# Altium PCB smart.PcbDoc (part 5 of 5)
Units mm, origin at the board's own origin, x right, y up, seen from the top; angles counter-clockwise.
Board outline 300.1 x 225.04 mm, 2 copper layers (Top Layer, Bottom Layer); 355 components, 288 nets, 1364 pads, 1127 vias.
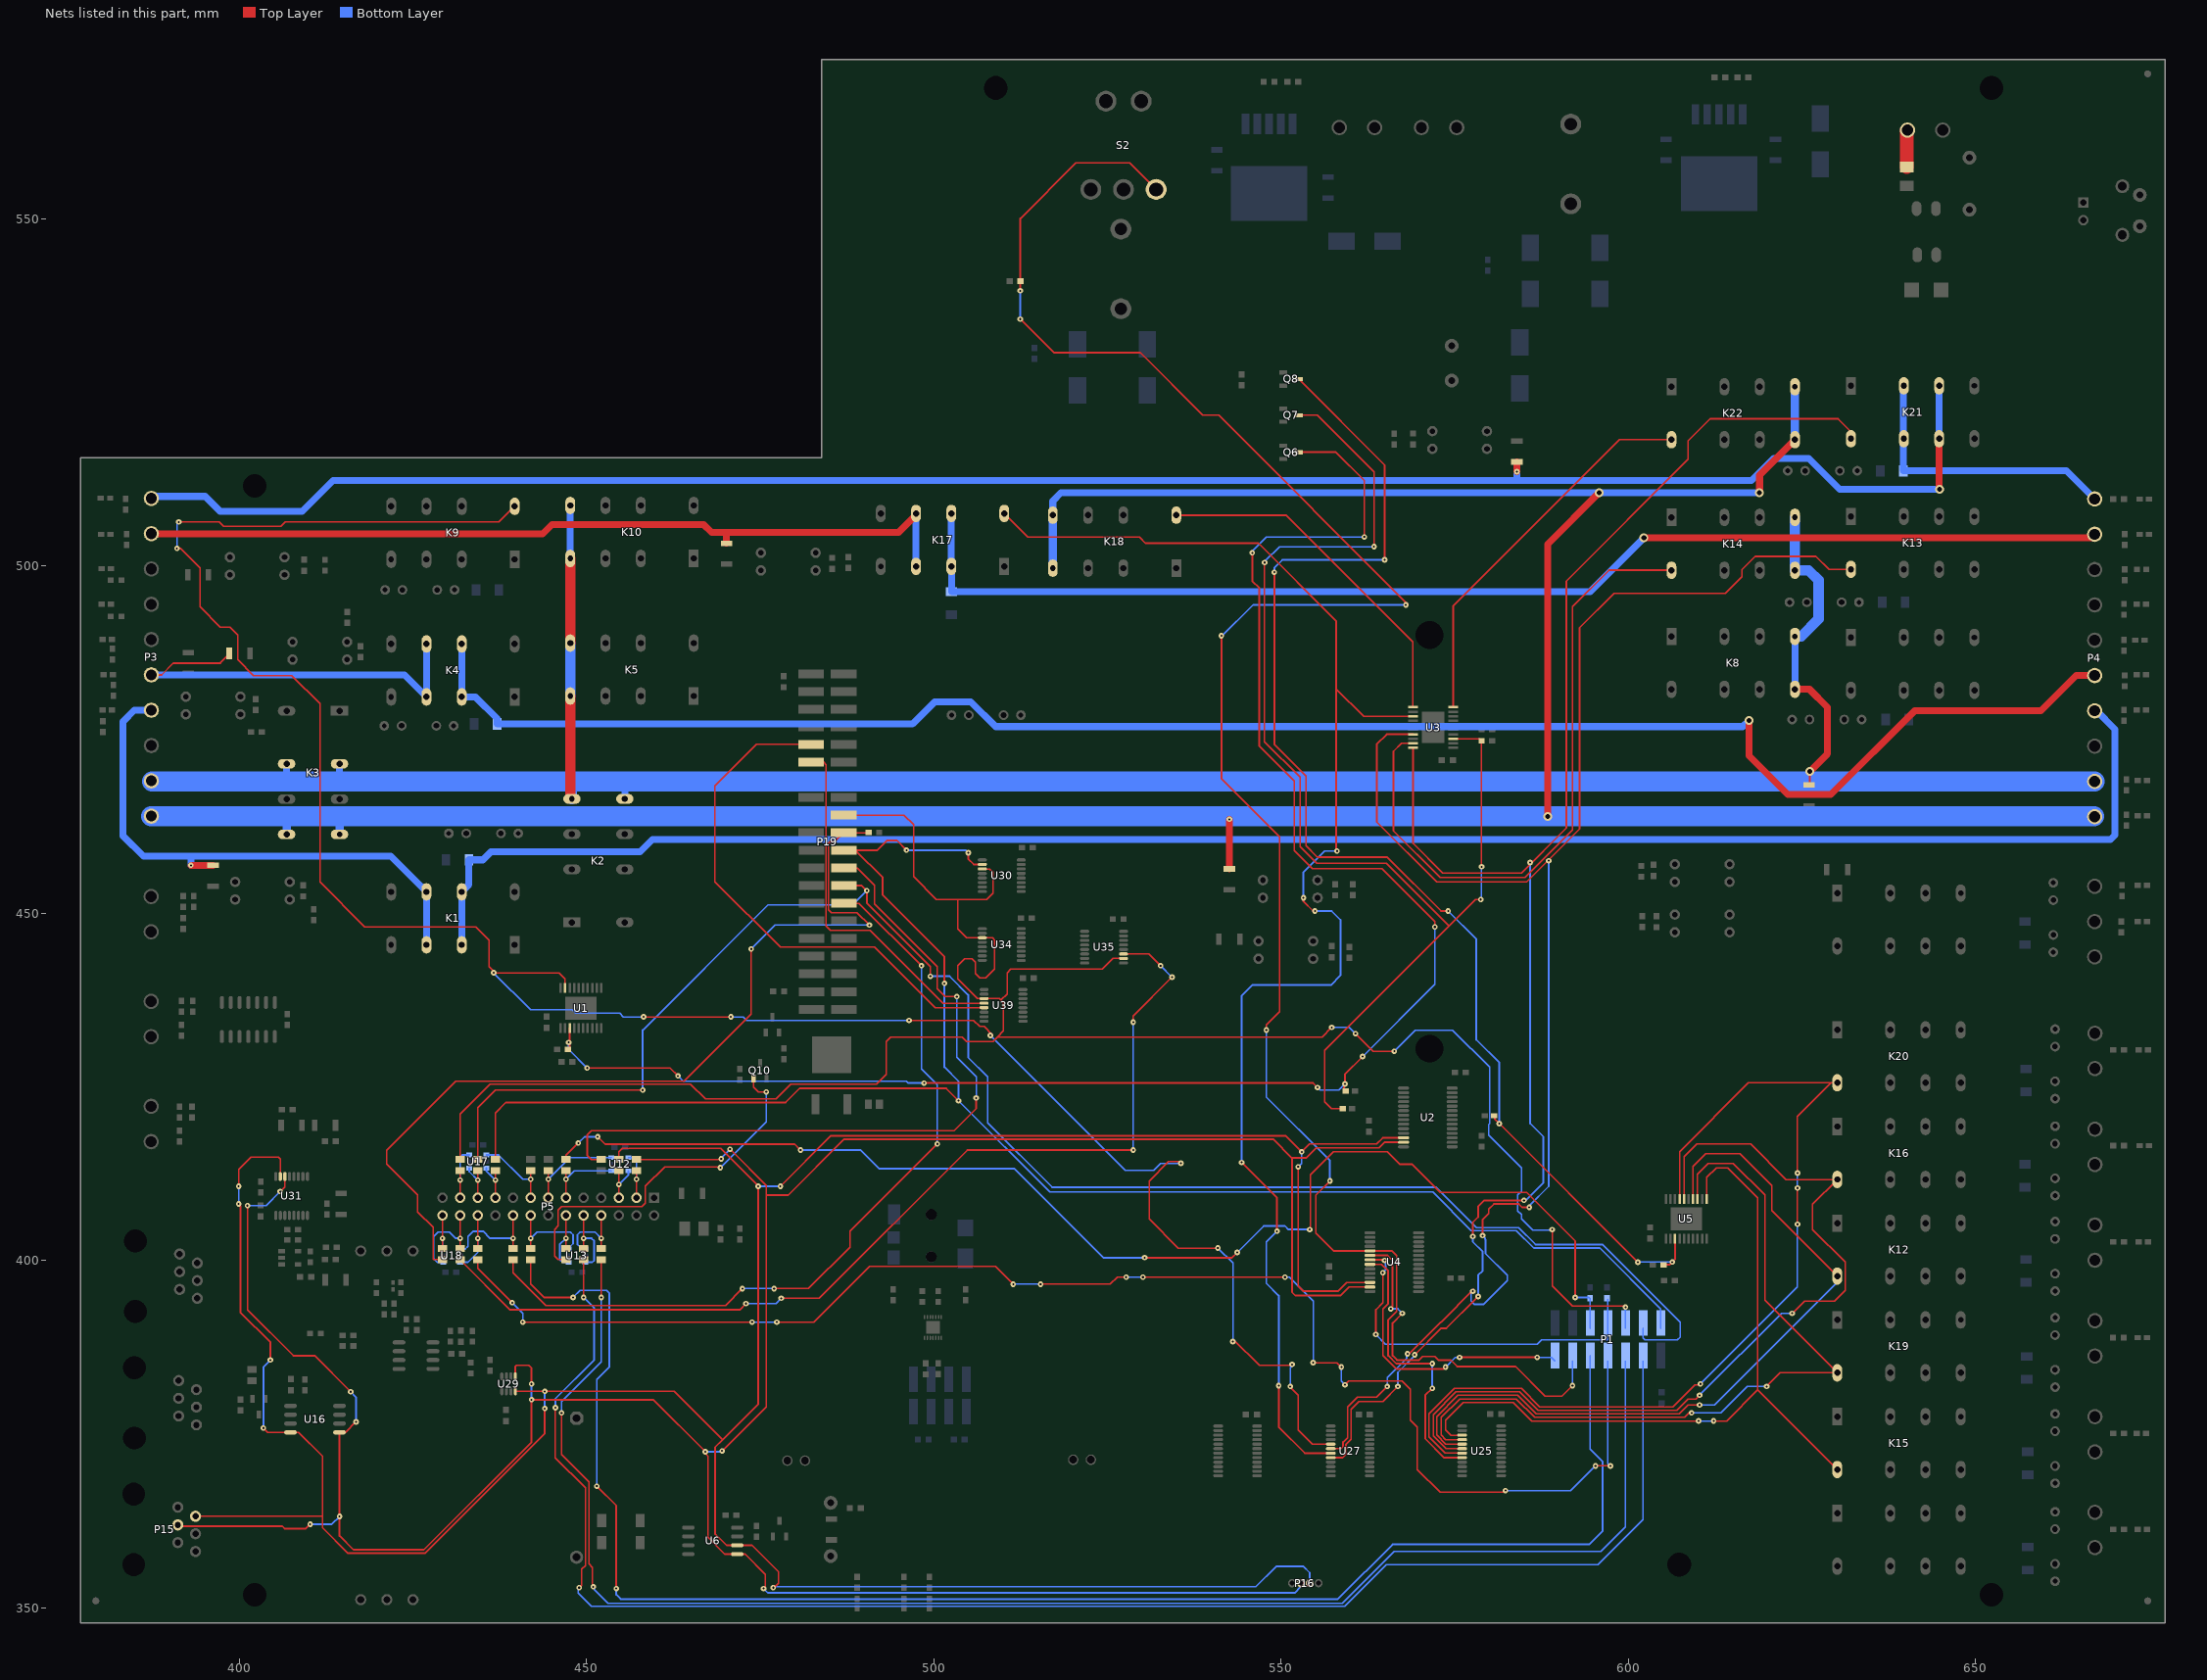
[diagram p5: the nets of this part, all layers, seen from the top]

## Via types
v1: diameter 0.8, hole 0.3, Top Layer to Bottom Layer, 1059 vias
v2: diameter 1.27, hole 0.711, Top Layer to Bottom Layer, 66 vias
v3: diameter 0.66, hole 0.33, Top Layer to Bottom Layer, tented top, 2 vias

## Nets (pads, with @x,y where several pads share a name; then routed paths per layer and width w, separated by ;. In a path a pad name is that pad's centre, name@x,y a point inside that pad or via, vN(x,y) a via of type N, cw(c..) or ccw(c..) an arc to the next point about the centre after c; other vN are vias at no path point) (continued)
OUT4_2: K9.16 U1.19 U27.5 | length 333.4
  Top Layer w0.2: v1(391.033,502.539) 391.541,502.539 394.335,499.745 394.335,494.157 397.256,491.236 398.653,491.236 399.796,490.093 399.796,486.537 402.082,484.251 407.543,484.251 411.607,480.187 411.607,454.533 418.084,448.056 434.086,448.056 435.991,446.151 435.991,442.341 436.88,441.452 446.024,441.452 446.924,440.552 U1.19@446.924,439.247 ; v1(391.287,506.349) 397.129,506.349 397.764,505.714 406.019,505.714 406.654,506.349 437.408,506.349 K9.16@439.655,508.596 ; v1(458.216,435.102) v1@470.662,435.102 ; v1(496.443,434.594) 505.714,434.594 506.603,433.705 507.238,433.705 v1@508.381,432.562 ; v1@535.432,414.274 533.781,414.274 530.987,411.48 530.987,406.019 535.178,401.828 v1(540.893,401.828) ; v1@543.179,388.62 546.862,384.937 551.688,384.937 v1(551.561,385.064) ; v1(551.307,381.889) 551.307,381.762 552.45,380.619 552.45,375.666 554.523,373.593 U27.5@557.143,373.593
  Bottom Layer w0.2: v1(391.033,502.539) 391.033,506.095 v1(391.287,506.349) ; v1(436.626,441.452) 441.96,436.118 447.929,436.118 448.437,435.61 450.82,435.61 450.835,435.625 454.772,435.625 455.295,435.102 v1(458.216,435.102) ; v1(470.789,435.102) 472.567,435.102 473.075,434.594 v1(496.443,434.594) ; v1(508.127,432.435) 527.558,413.004 531.622,413.004 532.638,414.02 v1(535.559,414.02) ; v1(540.893,401.828) 543.052,399.669 v1(543.052,388.366) ; v1(551.307,381.889) 551.307,384.556 551.688,384.937 v1(551.561,385.064)
OUT4_3: K15.16 U5.11 U25.3 | length 109.8
  Top Layer w0.2: U25.3@576.066,374.893 574.432,374.893 573.659,375.666 573.659,377.063 576.199,379.603 583.438,379.603 586.105,376.936 v1(610.108,376.936) ; U5.11@611.255,408.894 611.255,411.992 612.648,413.385 614.299,413.385 618.617,409.067 618.617,381.388 ; v1(612.267,376.936) 614.165,376.936 618.617,381.388 ; K15.16@630.066,369.939 618.617,381.388
  Bottom Layer w0.2: v1(610.108,376.936) v1(612.267,376.936)
OUT5_1: K14.16 U3.19 | length 94.7
  Top Layer w0.254: U3.19@569.006,474.483 567.32,474.483 566.166,473.329 566.166,461.899 572.897,455.168 585.089,455.168 591.947,462.026 591.947,494.157 597.193,499.403 K14.16@606.19,499.403
OUT5_2: K13.16 U3.17 U27.6 | length 238.4
  Top Layer w0.254: U27.6@557.143,372.943 558.617,372.943 558.904,373.23 558.904,373.697 558.927,373.72 558.927,373.888 559.562,374.523 559.562,378.968 560.959,380.365 563.753,380.365 v1(565.277,381.889) ; v1(568.198,386.588) 568.384,386.588 572.956,391.16 573.024,391.16 v1@577.723,395.859 ; U3.17@569.006,475.783 565.191,475.783 563.753,474.345 563.753,463.169 572.389,454.533 585.343,454.533 592.963,462.153 592.963,491.109 597.916,496.062 613.918,496.062 616.331,498.475 616.331,499.491 618.236,501.396 626.999,501.396 628.865,499.53 K13.16@632.03,499.53 ; v1(578.993,403.606) 578.993,405.892 579.882,406.781 579.882,407.416 580.644,408.178 584.2,408.178 584.708,407.67 v1(585.724,407.67)
  Bottom Layer w0.254: v1(565.277,381.889) 565.277,383.159 568.071,385.953 568.071,386.461 v1(568.198,386.588) ; v1(577.596,395.605) 577.342,395.351 577.342,394.208 577.85,393.7 579.12,393.7 582.549,397.129 582.549,397.891 579.42,401.02 579.42,403.034 579.374,403.08 579.374,403.225 v1(578.993,403.606) ; v1@585.724,407.924 588.518,410.718 v1(588.518,457.581)
OUT5_3: K19.16 U5.13 U25.4 | length 113.5
  Top Layer w0.2: U25.4@576.066,374.243 573.685,374.243 573.024,374.904 573.024,377.444 575.691,380.111 583.819,380.111 586.486,377.444 608.076,377.444 608.711,378.079 v1(609.092,378.079) ; U5.13@609.955,408.894 609.955,412.47 611.505,414.02 615.061,414.02 619.633,409.448 619.633,394.291 K19.16@630.066,383.858 621.856,383.858 v1(619.887,381.889)
  Bottom Layer w0.2: v1(609.092,378.079) 613.283,378.079 617.093,381.889 v1(619.887,381.889)
OUT6_1: K18.16 U3.11 | length 51
  Top Layer w0.254: K18.16@534.905,507.326 550.711,507.326 568.96,489.077 568.96,479.729 U3.11@569.006,479.683
OUT6_2: K17.16 U3.13 U27.7 | length 214.9
  Top Layer w0.254: K17.16@510.14,507.58 513.53,504.19 529.59,504.19 530.479,503.301 546.735,503.301 557.911,492.125 557.911,482.346 ; v1(544.322,414.147) 549.402,409.067 v1(549.402,404.241) ; v1(549.656,382.016) 549.656,376.047 553.41,372.293 U27.7@557.143,372.293 ; v1(553.212,452.247) 553.212,451.739 554.609,450.342 v1(554.863,450.342) ; v1(558.038,458.978) 557.911,459.105 557.911,482.346 ; U3.13@569.006,478.383 561.874,478.383 557.911,482.346
  Bottom Layer w0.254: v1(544.322,414.147) 544.322,438.15 545.846,439.674 557.149,439.674 558.546,441.071 558.546,449.072 557.276,450.342 v1(554.863,450.342) ; v1(549.402,404.241) 547.878,402.717 547.878,396.748 549.656,394.97 v1(549.656,382.016) ; v1(553.212,452.247) 553.212,455.93 556.26,458.978 v1(558.038,458.978)
OUT6_3: K12.16 U5.14 U25.5 | length 111.3
  Top Layer w0.2: U25.5@576.066,373.593 573.7,373.593 572.389,374.904 572.389,377.571 575.437,380.619 584.073,380.619 586.74,377.952 607.314,377.952 608.584,379.222 v1(610.235,379.222) ; U5.14@609.305,408.894 609.305,413.598 611.124,415.417 616.077,415.417 620.649,410.845 620.649,407.195 K12.16@630.066,397.778
  Bottom Layer w0.2: v1(610.235,379.222) 612.394,379.222 630.066,396.894 K12.16@630.066,397.778
OUT7_1: K22.16 U3.10 | length 55.9
  Top Layer w0.254: U3.10@574.756,479.683 574.756,494.238 598.717,518.199 K22.16@606.19,518.199
OUT7_2: K21.16 U3.20 U27.8 | length 236.6
  Top Layer w0.254: U27.8@557.143,371.643 558.841,371.643 559.308,372.11 559.308,373.507 560.07,374.269 560.07,378.587 561.213,379.73 564.642,379.73 v1(566.801,381.889) ; U3.20@569.006,473.833 569.006,460.075 573.278,455.803 584.581,455.803 591.058,462.28 591.058,497.84 608.584,515.366 608.584,518.033 611.759,521.208 630.174,521.208 632.03,519.352 K21.16@632.03,518.326 ; v1(569.214,386.461) 573.024,390.271 573.786,390.271 578.104,394.589 v1@578.104,394.97 ; v1(577.596,403.479) 577.596,405.511 578.358,406.273 578.358,407.797 579.247,408.686 v1(584.962,408.686)
  Bottom Layer w0.254: v1(566.801,381.889) 566.801,383.921 v1@569.087,386.207 ; v1(577.596,403.479) 577.596,402.717 579.016,401.297 579.016,398.549 578.358,397.891 v1(578.358,394.843) ; v1@585.216,408.686 587.756,411.226 587.756,417.83 585.851,419.735 v1(585.851,457.327)
OUT7_3: K16.16 U5.16 U25.6 | length 127.3
  Top Layer w0.2: U25.6@576.066,372.943 573.715,372.943 571.881,374.777 571.881,377.825 575.183,381.127 584.327,381.127 586.994,378.46 606.933,378.46 608.584,380.111 609.727,380.111 v1(610.235,380.619) ; U5.16@608.005,408.894 608.005,414.965 609.854,416.814 617.601,416.814 622.718,411.697 K16.16@630.066,411.697 626.491,408.122 626.491,404.495 631.19,399.796 631.19,395.732 629.666,394.208 625.348,394.208 v1(623.57,392.43)
  Bottom Layer w0.2: v1(610.235,380.619) 622.046,392.43 v1(623.57,392.43)
OUT8_3: K20.16 U5.17 U25.7 | length 136.8
  Top Layer w0.2: U25.7@576.066,372.293 573.603,372.293 571.246,374.65 571.246,377.952 574.929,381.635 584.581,381.635 587.248,378.968 606.425,378.968 609.6,382.143 v1@610.235,382.143 ; U5.17@607.355,408.894 607.355,415.712 617.259,425.616 629.197,425.616 ; v1(624.332,405.257) v1(624.332,410.464) ; v1(624.332,412.623) 624.332,420.751 629.197,425.616 ; K20.16@630.066,425.616 629.197,425.616
  Bottom Layer w0.2: v1(610.362,382.27) 624.332,396.24 v1(624.332,405.257) ; v1(624.332,410.464) v1(624.332,412.623)
P1: P5.3 R23.2 U12.1 | length 8
  Top Layer w0.254: P5.3@457.2,409.067 v1(457.2,411.734) R23.2@457.2,412.966
  Bottom Layer w0.254: U12.1@456.012,414.843 456.885,414.843 457.2,414.528 v1(457.2,411.734)
P2: P5.5 R25.2 U12.3 | length 6.4
  Top Layer w0.254: P5.5@454.66,409.067 v1(454.66,410.972) R25.2@454.66,412.966
  Bottom Layer w0.254: v1(454.66,410.972) 456.012,412.324 U12.3@456.012,412.943
P3: P5.11 R27.2 U12.4 | length 10.9
  Top Layer w0.254: P5.11@447.04,409.067 v1(447.04,411.734) R27.2@447.04,412.966
  Bottom Layer w0.254: v1(447.04,411.734) 448.249,412.943 U12.4@453.562,412.943
P4: P5.13 R31.2 U12.6 | length 14.2
  Top Layer w0.254: P5.13@444.5,409.067 v1(444.5,411.734) R31.2@444.5,412.966
  Bottom Layer w0.254: v1(444.5,411.734) 447.609,414.843 U12.6@453.562,414.843
P5: P5.15 R35.2 U17.1 | length 11.7
  Top Layer w0.254: P5.15@441.96,409.067 v1(441.96,411.734) R35.2@441.96,412.966
  Bottom Layer w0.254: U17.1@435.565,415.224 437.327,415.224 440.817,411.734 v1(441.96,411.734)
P6: P5.19 R37.2 U17.3 | length 6.2
  Top Layer w0.254: P5.19@436.88,409.067 v1(436.88,411.607) R37.2@436.88,412.966
  Bottom Layer w0.254: U17.3@435.565,413.324 435.565,412.922 v1(436.88,411.607)
P7: P5.21 R39.2 U17.4 | length 6.1
  Top Layer w0.254: P5.21@434.34,409.067 v1(434.34,411.607) R39.2@434.34,412.966
  Bottom Layer w0.254: U17.4@433.115,413.324 433.115,412.832 v1(434.34,411.607)
P8: P5.23 R41.2 U17.6 | length 8.6
  Top Layer w0.254: P5.23@431.8,409.067 v1(431.8,411.607) R41.2@431.8,412.966
  Bottom Layer w0.254: v1(431.8,411.607) 431.8,414.909 432.115,415.224 U17.6@433.115,415.224
P9: P5.8 R22.1 U13.1 | length 11.6
  Top Layer w0.254: R22.1@452.12,401.739 v1(452.12,403.225) P5.8@452.12,406.527
  Bottom Layer w0.254: U13.1@449.843,401.689 449.338,401.689 448.691,402.336 448.691,403.733 449.072,404.114 451.231,404.114 v1(452.12,403.225)
P10: P5.10 R24.1 U13.3 | length 10.6
  Top Layer w0.254: R24.1@449.58,401.739 v1(449.58,403.225) P5.10@449.58,406.527
  Bottom Layer w0.254: v1(449.58,403.225) 450.723,403.225 451.104,402.844 451.104,400.05 450.843,399.789 U13.3@449.843,399.789
P11: P5.12 R26.1 U13.4 | length 9.6
  Top Layer w0.254: R26.1@447.04,401.739 v1(447.04,403.225) P5.12@447.04,406.527
  Bottom Layer w0.254: v1(447.04,403.225) 446.151,402.336 446.151,400.177 446.539,399.789 U13.4@447.393,399.789
P12: P5.16 R28.1 U13.6 | length 13.7
  Top Layer w0.254: R28.1@441.96,401.739 v1(441.96,403.225) P5.16@441.96,406.527
  Bottom Layer w0.254: v1(441.96,403.225) 442.849,404.114 447.675,404.114 448.056,403.733 448.056,402.463 447.393,401.8 U13.6@447.393,401.689
P13: P5.18 R32.1 U18.1 | length 14.7
  Top Layer w0.254: R32.1@439.42,401.739 v1(439.42,403.225) P5.18@439.42,406.527
  Bottom Layer w0.254: U18.1@431.809,401.689 432.55,401.689 432.943,402.082 432.943,403.479 433.705,404.241 435.102,404.241 436.118,403.225 v1(439.42,403.225)
P14: P5.22 R36.1 U18.3 | length 9.9
  Top Layer w0.254: R36.1@434.34,401.739 v1(434.34,403.225) P5.22@434.34,406.527
  Bottom Layer w0.254: U18.3@431.809,399.789 432.936,399.789 434.34,401.193 v1(434.34,403.225)
P15: P5.24 R38.1 U18.4 | length 14
  Top Layer w0.254: R38.1@431.8,401.739 v1(431.8,403.225) P5.24@431.8,406.527
  Bottom Layer w0.254: U18.4@429.359,399.789 428.505,399.789 427.99,400.304 427.99,403.479 428.625,404.114 430.276,404.114 431.165,403.225 v1(431.8,403.225)
P16: P5.26 R40.1 U18.6 | length 6.4
  Top Layer w0.254: R40.1@429.26,401.739 v1(429.26,403.225) P5.26@429.26,406.527
  Bottom Layer w0.254: v1(429.26,403.225) 429.26,401.788 U18.6@429.359,401.689
PWM: Q10.1 R26.2 | length 52.9
  Top Layer w0.2: R26.2@447.04,400.139 445.935,400.139 445.389,400.685 445.389,404.495 445.897,405.003 445.897,407.289 446.405,407.797 457.962,407.797 458.47,408.305 458.47,410.718 461.264,413.512 v1@469.011,413.512 ; Q10.1@474.03,426.23 474.03,425.003 474.726,424.307 v1(475.869,424.307) v1@475.93,424.368
  Bottom Layer w0.2: v1(469.265,413.385) 475.869,419.989 v1(475.869,424.307)
R: F1.1 P21.1 | length 5.2
  Top Layer w2: F1.1@640.08,557.458 P21.1@640.08,562.67
RC1: K2.8 K2.9 K3.4 K3.13 K5.8 K5.9 K8.8 K8.9 K10.8 K10.9 K14.8 K14.9 P3.2 P4.9 R49.1 | length 379.9
  Top Layer w0.254: R49.1@625.983,468.479 626.11,468.606 v2(626.11,470.408)
  Top Layer w1: K2.8@447.661,466.714 K2.8@447.89,466.485 ; K8.9@623.965,482.258 626.071,482.258 628.65,479.679 628.65,472.948 v2(626.11,470.408)
  Top Layer w1.5: K2.8@447.661,466.714 K5.8@447.661,481.291 ; K5.9@447.661,488.911 K10.8@447.661,501.103
  Bottom Layer w1: K3.13@406.82,471.532 406.82,469.226 407.035,469.011 ; K3.4@414.44,471.532 414.44,469.099 414.528,469.011 ; K10.8@447.661,501.103 K10.9@447.661,508.723 ; 447.89,468.972 447.929,469.011 ; 455.168,469.011 455.51,468.669 K2.9@455.51,466.485 ; K8.9@623.965,482.258 K8.8@623.965,489.878 624.879,489.878
  Bottom Layer w1.2: P3.2@387.35,469.091 P3.2@387.43,469.011
  Bottom Layer w1.5: K5.8@447.661,481.291 K5.9@447.661,488.911 ; K2.8@447.89,466.485 447.89,468.972 ; K14.8@623.965,507.023 K14.9@623.965,499.403 625.944,499.403 627.38,497.967 627.38,492.379 624.879,489.878
  Bottom Layer w2.9: P3.2@387.43,469.011 407.035,469.011 414.528,469.011 447.929,469.011 455.168,469.011 P4.9@667.131,469.011
RD: P19.11 U39.4 | length 52.9
  Top Layer w0.2: P19.11@482.347,471.795 484.134,471.795 484.505,471.424 484.505,448.183 485.14,447.548 490.855,447.548 501.325,437.078 U39.4@507.232,437.078
REG_CS: R38.2 U35.11 | length 145
  Top Layer w0.254: R38.2@431.8,400.139 439.001,392.938 472.059,392.938 v1(472.948,393.827) ; v1(478.028,394.589) 483.489,394.589 504.825,415.925 v1(528.701,415.925) ; U35.11@527.31,444.16 530.946,444.16 v1(532.638,442.468) ; v1(528.701,434.34) 528.701,435.229 v1(534.289,440.817)
  Bottom Layer w0.254: v1(472.948,393.827) 477.266,393.827 v1(478.028,394.589) ; v1(528.701,415.925) v1(528.701,434.34) ; v1(532.638,442.468) v1(534.289,440.817)
RELAY_OFF_ST: R3.2 S2.3 U4.5 U25.8 | length 287.4
  Top Layer w0.254: v1(512.445,535.559) 517.271,530.733 529.717,530.733 538.716,521.734 541.002,521.734 v1@568.198,494.538 ; v1(512.445,539.623) 512.445,550.037 520.446,558.038 528.194,558.038 S2.3@532.004,554.228 ; v1(541.401,489.966) 541.401,469.392 549.783,461.01 549.783,435.864 547.878,433.959 v1(547.878,433.197) ; v1(557.022,411.48) 554.99,409.448 554.99,403.987 557.556,401.421 U4.5@562.793,401.421 565.938,401.421 566.632,400.727 566.632,392.701 565.404,391.473 565.404,386.334 566.547,385.191 v1(571.754,385.191) ; v1(571.754,381.635) 570.738,380.619 570.738,374.396 573.491,371.643 U25.8@576.066,371.643
  Bottom Layer w0.254: v1(512.445,535.559) v1(512.445,539.623) ; v1@541.401,489.839 545.973,494.411 v1(567.944,494.411) ; v1(547.878,433.197) 547.878,423.545 557.022,414.401 v1(557.022,411.48) ; v1(571.754,381.635) v1(571.754,385.191)
RESET1: D37.3 Q6.3 R1.2 U1.3 | length 254.4
  Top Layer w0.254: R1.2@447.307,430.403 447.574,430.67 U1.3@447.574,433.497 ; v1(450.088,427.736) 462.026,427.736 v1(463.169,426.593) ; v1(498.602,425.577) 554.609,425.577 v1(555.244,424.942) ; v1(545.846,501.904) 545.846,497.84 546.862,496.824 546.862,474.091 551.879,469.075 551.879,459.041 554.482,456.438 564.515,456.438 572.135,448.818 v1(572.135,448.056) ; Q6.3@552.511,516.4 557.893,516.4 561.975,512.318 v1(561.975,504.19) ; D37.3@559.041,424.434 559.041,425.31 v1(559.181,425.45) 559.181,426.847 v1(561.721,429.387)
  Bottom Layer w0.254: v1(447.421,431.419) 447.421,430.403 v1(450.088,427.736) ; v1(463.169,426.593) 463.931,425.831 496.062,425.831 496.316,425.577 v1@498.348,425.577 ; v1@545.846,502.158 547.878,504.19 v1(561.975,504.19) ; v1(555.244,424.942) 555.625,424.561 558.292,424.561 v1(559.181,425.45) ; v1(561.721,429.387) 572.135,439.801 v1(572.135,448.056)
RESET2: D38.3 Q7.3 R9.2 U3.3 | length 179.7
  Top Layer w0.2: v1(547.624,500.507) 547.624,474.726 552.704,469.646 552.704,459.613 555.117,457.2 565.15,457.2 574.167,448.183 ; Q7.3@552.511,521.734 555.226,521.734 563.372,513.588 v1(563.372,502.793) ; D38.3@559.041,421.894 557.276,421.894 556.26,422.91 556.26,430.276 574.167,448.183 ; U3.3@574.756,475.133 578.573,475.133 R9.2@578.853,474.853 v1(578.853,456.705) ; v1(578.739,451.993) 577.977,451.993 574.167,448.183
  Bottom Layer w0.2: v1@547.751,500.761 549.783,502.793 v1(563.372,502.793) ; v1@578.853,452.107 v1(578.853,456.705)
RESET3: D39.3 Q8.3 R15.2 U5.3 | length 186.9
  Top Layer w0.254: v1(549.021,499.11) 549.021,474.345 553.593,469.773 553.593,459.74 555.244,458.089 565.277,458.089 573.024,450.342 v1(574.04,450.342) ; Q8.3@552.511,526.941 564.896,514.556 v1(564.896,500.888) ; D39.3@580.784,420.878 580.784,420.357 v1(581.406,419.735) v1(601.345,399.796) ; R15.2@605.041,399.415 605.917,399.415 v1(606.311,399.809) 606.705,400.203 U5.3@606.705,403.144
  Bottom Layer w0.254: v1(549.021,499.11) 549.021,499.745 550.164,500.888 v1(564.896,500.888) ; v1(574.04,450.342) 578.104,446.278 578.104,431.8 581.406,428.498 v1(581.406,419.735) ; v1@601.332,399.809 v1(606.311,399.809)
RH1: K3.8 K3.9 K18.8 K18.9 K22.8 K22.9 P3.1 P4.10 R34.1 | length 471.2
  Top Layer w1: R34.1@542.544,456.414 v1(542.544,463.55) ; v2(588.391,463.931) 588.391,503.174 v2(595.757,510.54) ; v2(618.871,510.54) 618.871,513.105 K22.9@623.965,518.199
  Bottom Layer w1: K18.9@517.13,507.326 517.13,509.383 518.287,510.54 v2(595.757,510.54) v2(618.871,510.54)
  Bottom Layer w1.2: K3.9@406.82,461.377 406.82,463.669 407.035,463.884 ; K3.8@414.44,461.377 414.44,463.923 414.528,464.011 ; K18.8@517.13,499.706 K18.9@517.13,507.326 ; K22.9@623.965,518.199 K22.8@623.965,525.819 ; P4.10@667.051,464.011 P4.10@667.131,463.931
  Bottom Layer w2.9: P3.1@387.35,464.011 414.528,464.011 P4.10@667.051,464.011
SCL: P15.5 P16.3 R25.1 U2.12 U4.12 U6.6 U16.4 U29.4 U31.15 | length 466.4
  Top Layer w0.254: P15.5@393.71,363.215 411.983,363.215 411.988,363.22 ; v1(399.923,408.178) 400.177,407.924 400.177,392.557 404.495,388.239 v1(404.495,385.699) ; v1(399.923,410.718) 399.923,413.131 401.701,414.909 405.638,414.909 405.918,414.629 U31.15@405.918,412.121 ; v1(403.479,375.92) 404.114,375.285 U16.4@407.382,375.285 408.559,375.285 411.988,371.856 411.988,363.22 ; U29.4@439.76,381.195 v1(443.992,381.195) 462.593,381.195 469.582,374.205 ; v1(443.992,378.714) 443.992,375.158 426.72,357.886 415.671,357.886 411.988,361.569 411.988,363.22 ; R25.1@454.66,414.566 454.66,415.671 455.168,416.179 469.293,416.179 474.726,410.746 v1(474.726,410.718) 474.726,379.349 469.582,374.205 ; v1(476.885,352.933) 476.885,353.06 477.012,353.187 477.266,353.187 477.647,353.568 477.647,355.219 473.837,359.029 U6.6@471.709,359.029 470.154,359.029 468.503,360.68 468.503,373.126 469.582,374.205 ; v1(477.901,410.718) 485.14,417.957 550.672,417.957 v1(552.958,415.671) 554.101,416.814 563.753,416.814 564.638,417.699 U2.12@567.619,417.699 ; v1(552.45,413.512) 552.45,396.367 553.212,395.605 558.165,395.605 559.431,396.871 U4.12@562.793,396.871
  Bottom Layer w0.254: v1(399.923,408.178) v1(399.923,410.718) ; v1(403.479,375.92) 403.479,384.683 v1(404.495,385.699) ; v1(443.992,378.714) v1(443.992,381.195) ; v1(474.726,410.718) v1(477.901,410.718) ; v1(476.885,352.933) 476.885,353.06 477.012,353.187 477.139,353.06 546.354,353.06 549.275,355.981 553.212,355.981 554.111,355.082 P16.3@554.111,353.568 ; v1(552.45,413.512) 552.958,414.02 v1(552.958,415.671)
SDA: P15.4 P16.2 R23.1 U2.13 U4.13 U6.5 U16.5 U29.5 U31.14 | length 463.5
  Top Layer w0.254: P15.4@391.16,361.965 391.344,361.781 406.188,361.781 406.527,361.442 409.575,361.442 v1@410.21,362.077 ; v1(401.193,407.924) 401.193,392.938 407.797,386.334 410.845,386.334 v1(416.052,381.127) ; v1(405.892,409.956) 406.568,410.632 U31.14@406.568,412.121 ; v1(416.814,376.809) 415.29,375.285 U16.5@414.432,375.285 414.432,363.189 v1(414.442,363.179) 414.442,360.385 416.433,358.394 426.593,358.394 442.087,373.888 v1(442.087,379.984) 459.613,379.984 v1(467.106,372.491) 467.106,372.237 467.487,371.856 467.487,360.172 469.9,357.759 U6.5@471.709,357.759 472.821,357.759 475.742,354.838 475.742,353.06 v1(475.488,352.806) ; U29.5@439.76,383.345 439.76,384.769 439.928,384.937 441.706,384.937 442.087,384.556 v1(442.087,382.27) ; R23.1@457.2,414.566 469.303,414.566 v1(469.392,414.655) ; v1(469.519,372.618) 475.869,378.968 475.869,409.448 ; v1@470.852,415.861 475.869,410.845 475.869,409.448 ; U4.13@562.793,396.221 559.797,396.221 558.546,394.97 552.069,394.97 551.561,395.478 551.561,414.782 ; U2.13@567.619,417.049 564.877,417.049 564.07,416.243 555.053,416.243 553.593,414.782 551.561,414.782 ; 475.869,409.448 479.044,409.448 487.087,417.491 548.852,417.491 551.561,414.782
  Bottom Layer w0.254: v1(401.193,407.924) 403.86,407.924 v1(405.892,409.956) ; v1(410.22,362.067) 413.33,362.067 v1(414.442,363.179) ; v1(416.052,381.127) 416.814,380.365 v1(416.814,376.809) ; v1(442.087,379.984) v1(442.087,382.27) ; v1(467.106,372.491) v1@469.392,372.491 ; v1(469.392,414.655) 469.392,414.782 v1(470.662,416.052) ; v1(475.488,352.806) 476.123,352.171 551.942,352.171 552.836,353.065 P16.2@552.836,353.568
SPI_MISO: P1.4 P19.26 R39.1 | length 248
  Top Layer w0.254: R39.1@434.34,414.566 434.34,422.021 436.88,424.561 v1(458.089,424.561) ; P19.26@487.072,453.99 489.62,453.99 v1(490.347,453.263) 490.347,451.485 499.491,442.341 v1(499.491,440.944)
  Bottom Layer w0.254: v1(458.089,424.561) 458.089,433.197 476.123,451.231 488.315,451.231 v1(490.347,453.263) ; v1(499.491,440.944) 502.285,440.944 504.952,438.277 504.952,429.26 507.746,426.466 507.746,419.862 517.017,410.591 572.262,410.591 578.104,404.749 584.2,404.749 586.613,402.336 596.265,402.336 607.441,391.16 607.441,389.001 607.06,388.62 602.361,388.62 602.107,388.874 P1.4@602.107,390.258
SPI_MOSI: P1.2 P19.22 R37.1 U30.2 | length 256.5
  Top Layer w0.254: R37.1@436.88,414.566 436.88,421.259 438.404,422.783 478.663,422.783 480.695,424.815 501.777,424.815 v1(503.555,423.037) ; P19.22@487.072,459.07 P19.22@488.731,459.07 ; v1(496.062,459.105) 494.665,460.502 493.268,460.502 491.836,459.07 P19.22@488.731,459.07 ; v1(501.523,439.928) 501.523,443.738 492.633,452.628 492.633,455.168 P19.22@488.731,459.07 ; v1(504.952,458.724) 504.952,457.835 505.74,457.047 U30.2@506.978,457.047
  Bottom Layer w0.254: v1(496.062,459.105) 504.571,459.105 v1(504.952,458.724) ; v1(501.523,439.928) 501.523,427.863 503.555,425.831 v1(503.555,423.037) 516.699,409.892 571.817,409.892 577.365,404.345 583.842,404.345 586.359,401.828 595.884,401.828 604.647,393.065 P1.2@604.647,390.258
SPI_SCK: P1.6 P19.18 R41.1 U30.3 U34.3 U35.10 U39.3 | length 318.2
  Top Layer w0.2: R41.1@431.8,414.566 431.8,421.132 436.118,425.45 464.947,425.45 467.106,423.291 477.266,423.291 479.425,425.45 491.744,425.45 493.141,426.847 493.141,431.546 493.776,432.181 504.063,432.181 504.698,431.546 508.508,431.546 509.143,432.181 ; P19.18@487.022,464.155 495.711,464.155 497.078,462.788 497.078,455.295 500.38,451.993 503.428,451.993 ; U30.3@506.978,456.397 508.041,456.397 508.508,455.93 508.508,452.882 507.619,451.993 503.428,451.993 ; U35.10@527.31,443.51 525.806,443.51 524.256,441.96 511.048,441.96 510.54,441.452 510.54,438.404 509.651,437.515 ; v1(557.276,433.578) 555.879,432.181 509.143,432.181 ; v1(560.705,432.689) 563.245,430.149 v1(566.293,430.149) ; v1(589.026,404.495) 589.026,396.367 591.947,393.446 599.44,393.446 v1(599.567,393.319) ; 503.428,451.993 503.428,447.802 504.739,446.491 U34.3@506.978,446.491 508.422,446.491 508.762,446.151 508.762,441.96 507.492,440.69 506.603,440.69 505.968,441.325 505.968,442.976 505.46,443.484 504.444,443.484 503.428,442.468 503.428,440.563 506.263,437.728 U39.3@507.232,437.728 509.438,437.728 509.651,437.515 ; 509.143,432.181 510.032,433.07 510.032,437.134 509.651,437.515
  Bottom Layer w0.2: v1(557.276,433.578) 559.816,433.578 v1(560.705,432.689) ; v1(566.293,430.149) 569.341,433.197 574.675,433.197 580.009,427.863 580.009,419.735 579.882,419.608 579.882,418.084 584.581,413.385 584.581,409.956 584.073,409.448 584.073,407.162 584.581,406.654 584.581,406.019 586.232,404.368 v1@588.899,404.368 ; P1.6@599.567,390.258 v1(599.567,393.319)
TOUCH_BUSY: P19.24 R19.1 | length 107.4
  Top Layer w0.2: P19.24@487.072,456.53 488.985,456.53 491.49,454.025 491.49,451.358 500.507,442.341 500.507,439.166 501.65,438.023 v1(503.301,438.023)
  Top Layer w0.254: R19.1@452.12,414.566 450.685,414.566 450.088,415.163 450.088,418.084 450.723,418.719 502.92,418.719 506.095,421.894 v1(506.095,423.418)
  Bottom Layer w0.2: v1(503.301,438.023) 503.301,429.26 506.095,426.466 v1(506.095,423.418)
TOUCH_CS: P19.20 R40.2 R105.2 | length 131.1
  Top Layer w0.2: R40.2@429.26,400.139 427.901,400.139 427.901,404.838 425.704,407.035 425.704,409.448 421.259,413.893 421.259,415.925 431.165,425.831 464.058,425.831 473.71,435.483 v1(473.71,444.881) ; R105.2@490.588,461.645 490.558,461.615 P19.20@487.022,461.615 485.782,460.375 485.109,460.375 484.855,460.121 484.855,450.5 485.267,450.088 488.95,450.088 v1(490.728,448.31)
  Bottom Layer w0.2: v1(473.71,444.881) 477.139,448.31 v1(490.728,448.31)
TOUCH_IRQ: P19.28 R32.2 | length 117.3
  Top Layer w0.2: R32.2@439.42,400.139 439.42,398.272 444.119,393.573 470.027,393.573 v1(472.44,395.986) ; v1(477.012,395.986) 481.965,395.986 487.934,401.955 487.934,404.241 v1(500.507,416.814) ; P19.28@487.072,451.45 489.239,451.45 v1(498.221,442.468)
  Bottom Layer w0.2: v1(472.44,395.986) v1(477.012,395.986) ; v1(498.221,442.468) 498.221,427.609 500.507,425.323 v1(500.507,416.814)
UART_RTS: P1.7 R36.2 | length 215.7
  Top Layer w0.2: R36.2@434.34,400.139 434.34,398.907 v1(439.293,393.954) ; v1(440.817,391.16) v1(473.837,391.16) ; v1(477.393,391.16) 482.727,391.16 490.728,399.161 508.889,399.161 v1(511.429,396.621) ; v1(515.366,396.621) 525.399,396.621 526.415,397.637 v1(527.685,397.637) ; v1(530.098,397.637) v1(550.545,397.637) ; v1(554.609,385.318) 558.038,385.318 v1(558.673,384.683) ; v1(559.181,382.143) 559.689,382.651 567.436,382.651 568.579,381.508 568.579,377.063 569.595,376.047 569.595,369.951 572.897,366.649 582.041,366.649 v1(582.295,366.903) ; v1(595.249,370.459) v1(597.408,370.459)
  Bottom Layer w0.2: v1(439.293,393.954) 440.817,392.43 v1(440.817,391.16) ; v1(473.837,391.16) v1(477.393,391.16) ; v1(511.429,396.621) v1(515.366,396.621) ; v1(527.685,397.637) v1(530.098,397.637) ; v1(550.545,397.637) 551.18,397.637 554.609,394.208 v1(554.609,385.318) ; v1(558.673,384.683) 558.673,382.651 v1(559.181,382.143) ; v1(582.295,366.903) 591.693,366.903 v1(595.249,370.459) ; P1.7@597.027,385.583 597.027,370.84 v1(597.408,370.459)
UART_RX: P1.3 R24.2 | length 235.2
  Top Layer w0.2: v1(445.516,378.841) 445.516,371.602 449.834,367.284 449.834,356.108 449.326,355.6 449.326,353.314 v1(448.945,352.933)
  Top Layer w0.254: v1(449.58,394.716) R24.2@449.58,400.139
  Bottom Layer w0.2: v1(448.945,352.933) 448.818,352.806 448.818,352.171 450.723,350.266 559.181,350.266 565.15,356.235 595.63,356.235 602.107,362.712 P1.3@602.107,385.583
  Bottom Layer w0.254: v1(445.516,378.841) 445.516,380.111 451.104,385.699 451.104,393.192 v1(449.58,394.716)
UART_TX: P1.5 R22.2 | length 230
  Top Layer w0.2: v1(446.405,378.079) 446.405,372.11 450.342,368.173 450.342,356.362 450.85,355.854 450.85,353.187 v1(450.977,353.06) ; v1(452.12,394.716) R22.2@452.12,400.139
  Bottom Layer w0.2: v1(446.405,378.079) 446.405,379.73 452.12,385.445 v1(452.12,394.716) ; v1(450.977,353.06) 450.977,353.314 451.104,353.187 451.104,352.679 453.136,350.647 558.8,350.647 566.293,358.14 596.011,358.14 599.567,361.696 P1.5@599.567,385.583
W1/1: K17.6 K17.11 P3.9 R64.1 | length 121.4
  Top Layer w1: P3.9@387.35,504.651 443.691,504.651 445.008,505.968 466.852,505.968 467.995,504.825 494.919,504.825 497.44,507.346 K17.11@497.44,507.58 ; R64.1@470.154,503.277 470.154,504.698
  Bottom Layer w1: K17.6@497.44,499.96 K17.11@497.44,507.58
W1/2: K21.6 K21.11 P3.10 R79.1 | length 281.2
  Top Layer w1: v1(583.946,513.588) R79.1@583.946,515.009 ; K21.11@644.73,518.326 644.73,511.224 644.906,511.048 v2(644.811,511.048)
  Bottom Layer w1: P3.10@387.35,509.731 387.651,510.032 395.097,510.032 397.256,507.873 409.067,507.873 413.512,512.318 617.728,512.318 620.903,515.493 625.983,515.493 630.428,511.048 v2@644.906,511.048 ; 583.946,512.445 v1(583.946,513.588) ; K21.11@644.73,518.326 K21.6@644.73,525.946
W2/1: K17.4 K17.13 P4.2 R74.2 | length 179.3
  Top Layer w1: v2(602.234,504.063) 666.623,504.063 P4.2@667.131,504.571
  Bottom Layer w1: K17.13@502.52,507.58 K17.4@502.52,499.96 502.539,499.941 R74.2@502.539,496.315 594.486,496.315 v2(602.234,504.063)
W2/2: K21.4 K21.13 P4.1 R43.2 | length 41.5
  Bottom Layer w1: K21.4@639.65,525.946 639.571,525.867 R43.2@639.571,513.715 663.067,513.715 P4.1@667.131,509.651
WR: P19.9 U39.5 | length 76.4
  Top Layer w0.2: P19.9@482.347,474.335 474.462,474.335 468.503,468.376 468.503,454.533 477.901,445.135 491.49,445.135 500.197,436.428 U39.5@507.232,436.428
Y1/1: K1.6 K1.11 P3.4 R33.1 | length 80.2
  Top Layer w1: v1(393.041,456.922) R33.1@396.24,456.922
  Bottom Layer w1: P3.4@387.35,479.251 384.89,479.251 383.286,477.647 383.286,461.137 386.207,458.216 421.836,458.216 K1.11@426.955,453.097 K1.6@426.955,445.477 ; v1(393.041,456.922) 393.041,458.113
Y1/2: K4.6 K4.11 P3.5 R48.1 | length 61
  Top Layer w0.254: P3.5@387.35,484.331 388.827,484.331 390.525,486.029 397.28,486.029 R48.1@398.55,487.299
  Bottom Layer w1: P3.5@387.35,484.331 423.788,484.331 K4.6@426.955,481.164 K4.11@426.955,488.784
Y2/1: K1.4 K1.13 P4.7 R46.2 | length 270.4
  Bottom Layer w1: K1.4@432.035,445.477 K1.13@432.035,453.097 433.069,454.131 R46.2@433.069,457.708 435.102,457.708 436.245,458.851 457.708,458.851 459.486,460.629 669.417,460.629 670.052,461.264 670.052,476.504 667.385,479.171 P4.7@667.131,479.171
Y2/2: K4.4 K4.13 P4.6 R50.2 | length 262.4
  Top Layer w1: v2(617.347,477.774) 617.347,472.694 622.935,467.106 629.158,467.106 641.223,479.171 659.384,479.171 664.464,484.251 P4.6@667.131,484.251
  Bottom Layer w1: K4.13@432.035,488.784 K4.4@432.035,481.164 433.998,481.164 437.133,478.029 R50.2@437.133,477.266 496.951,477.266 500.126,480.441 505.333,480.441 508.889,476.885 616.458,476.885 v2(617.347,477.774)
ZIGBEE_CS: P1.8 R13.2 U4.7 | length 53.7
  Top Layer w0.254: U4.7@562.793,400.121 564.713,400.121 564.769,400.177 v1(564.896,400.05) ; v1(563.626,389.382) 563.626,392.938 564.642,393.954 v1(564.642,398.272)
  Bottom Layer w0.254: v1(563.626,389.382) 565.023,387.985 586.867,387.985 587.502,388.62 597.027,388.62 R13.2@597.027,394.449 ; v1(564.642,398.272) 565.023,398.653 565.023,399.923 v1@564.769,400.177
ZIGBEE_INT: P1.11 U4.6 | length 52
  Top Layer w0.254: U4.6@562.793,400.771 565.318,400.771 566.039,400.05 566.039,393.319 v1(565.785,393.065) ; v1(567.436,392.43) 566.039,391.033 566.039,386.334 566.674,385.699 569.849,385.699 570.357,386.207 572.135,386.207 572.643,385.699 574.421,385.699 575.352,384.768 583.734,384.768 588.01,380.492 590.423,380.492 v1(591.947,382.016)
  Bottom Layer w0.254: v1(565.785,393.065) 566.801,393.065 v1@567.309,392.557 ; v1(591.947,382.016) P1.11@591.947,385.583
ZIGBEE_IO: P1.9 R28.2 | length 233.8
  Top Layer w0.254: R28.2@441.96,400.139 441.96,396.621 443.865,394.716 v1(448.056,394.716) ; v1(451.485,367.538) 454.279,364.744 v1(454.279,352.806)
  Bottom Layer w0.254: v1(448.056,394.716) 449.072,395.732 452.882,395.732 453.263,395.351 453.263,384.683 451.485,382.905 v1(451.485,367.538) ; v1(454.279,352.806) 454.279,351.917 454.914,351.282 558.165,351.282 566.039,359.156 594.36,359.156 596.265,361.061 596.265,371.094 594.487,372.872 P1.9@594.487,386.345
ZIGBEE_RES: P1.10 R14.2 R27.1 | length 185.2
  Top Layer w0.254: R27.1@447.04,414.566 447.04,415.163 v1(448.818,416.941) ; v1(451.612,417.83) 452.67,416.772 479.975,416.772 v1(480.822,415.925) ; v1(530.352,400.431) 542.925,400.431 v1(543.687,401.193) ; v1@554.228,404.495 554.228,412.369 557.53,415.671 565.277,415.671 567.055,413.893 568.833,413.893 572.897,409.829 585.343,409.829 592.328,402.844 v1(592.328,394.716)
  Bottom Layer w0.254: v1(448.818,416.941) 449.707,417.83 v1(451.612,417.83) ; v1(480.822,415.925) 489.458,415.925 492.125,413.258 511.556,413.258 524.383,400.431 v1(530.352,400.431) ; v1(543.687,401.193) 547.497,405.003 550.545,405.003 551.053,404.495 v1(554.101,404.495) ; v1(592.328,394.716) R14.2@594.347,394.716 ; P1.10@594.487,390.258 594.487,393.827 R14.2@594.487,394.576
ZIGBEE_WAKE: P1.13 U4.8 | length 42
  Top Layer w0.254: U4.8@562.793,399.471 564.459,399.471 565.404,398.526 565.404,393.827 564.642,393.065 564.642,386.334 566.547,384.429 573.405,384.429 v1(573.659,384.683) ; v1(575.691,386.08) 575.733,386.122 586.825,386.122 v1(586.867,386.08)
  Bottom Layer w0.254: v1(573.659,384.683) 575.056,386.08 v1(575.691,386.08) ; v1(586.867,386.08) 588.91,386.08 P1.13@589.407,385.583
pads on no net: BQ1.2 BQ1.3 J1.4 J1.5 J1.7 J1.8 K2.6 K2.11 K3.6 K3.11 K5.6 K5.11 K8.6 K8.11 K10.6 K10.11 K11.6 K11.11 K12.6 K12.11 K14.6 K14.11 K15.6 K15.11 K16.6 K16.11 K18.6 K18.11 K19.6 K19.11 K20.6 K20.11 K22.6 K22.11 P1.12 P5.17 P10.4 P10.5 P10.6 P10.9 P13.4 P13.5 P13.6 P13.9 P15.2 P15.6 P15.9 P19.5 P19.30 P19.31 P19.32 P19.34 P19.35 P19.36 P19.38 P19.39 P19.40 P25.1 P25.2 P26.1 P26.2 S1.3 S1.4 S2.4 S2.5 U1.10 U2.11 U2.14 U2.19 U2.20 U4.11 U4.14 U5.19 U25.10 U25.11 U25.14 U25.15 U27.9 U27.10 U27.11 U27.14 U27.15 U27.16 U28.12 U28.13 U28.14 U30.10 U33.1 U34.10 U35.1 U35.2 U35.4 U35.5 U35.6 U35.7 U35.9 U35.12 U35.13 U35.14 U35.15 U38.9 U38.10 U38.13 U38.14 U39.6 U39.9 U39.10 U39.11 U39.12 U39.13
copper on no net: | length 128
  Top Layer w0.2: 498.475,386.588 499.472,387.585 499.472,388.898 ; 498.907,387.731 499.072,387.896 499.072,388.898 ; 500.672,388.898 500.672,387.693 501.777,386.588 ; 501.072,388.898 501.072,388.182 501.396,387.858 502.793,387.858 ; 520.05,371.363 520.065,371.348
  Top Layer w0.5: 488.696,387.731 498.907,387.731 ; 489.712,386.588 498.475,386.588 ; 501.777,386.588 512.826,386.588
  Top Layer w1: 478.917,371.221 478.917,377.952 488.696,387.731 ; 481.457,371.221 481.457,378.333 489.712,386.588 ; 502.793,387.858 513.715,387.858 522.605,378.968 522.605,371.348 ; 512.826,386.588 520.05,379.364 520.05,371.363
  other v2: 548.259,353.441 557.911,354.33 557.911,355.854 544.703,355.981 557.911,357.378 552.069,358.267 553.72,358.267 555.371,358.267 417.195,359.918 420.243,359.918 423.418,359.918 426.339,359.918 417.195,363.474 420.243,363.474 423.418,363.474 426.339,363.474 417.195,366.903 420.243,366.903 423.418,366.903 426.339,366.903 416.306,371.983 419.354,371.983 422.529,371.983 425.45,371.983 417.195,394.081 424.815,395.732 418.338,404.622 415.417,404.749 422.021,405.003 424.434,405.003 418.338,407.543 421.513,407.67 424.18,407.67 421.259,411.48 546.735,568.198 548.767,568.198 551.18,568.198 553.085,568.198 611.886,568.833 613.537,568.833 615.95,568.833 617.601,568.833 545.338,571.246 555.371,571.246 610.616,571.5 619.633,571.5

## Polygon pours and split planes (outlines as drawn)
GND on Bottom Layer "GND_POLYGON_BOTTOM" (solid, pour order 4): 483.87,572.897 677.291,572.897 677.291,347.853 377.19,347.853 377.19,515.62 483.87,515.62 483.87,572.897
GND on Top Layer "GND_POLYGON_BOTTOM" (solid, pour order 3): 483.87,572.897 677.291,572.897 677.291,347.853 377.19,347.853 377.19,515.62 483.87,515.62 483.87,572.897

## Keep-outs
Keep-Out Layer:
  the board outline again, w0.1

## Other copper
Top Layer:
  pour cut-out: 544.83,572.897 544.83,567.69 556.387,567.69 556.387,572.897
  pour cut-out: 610.235,572.897 610.235,568.325 620.395,568.325 620.395,572.897
  pour cut-out: 583.887,393.065 608.838,393.065 608.838,347.853 583.76,347.853
  pour cut-out: 561.34,347.853 561.34,361.95 539.75,361.95 539.75,347.853
  pour cut-out: 377.825,351.028 377.952,350.52 378.206,350.012 378.587,349.758 379.095,349.504 379.476,349.504 380.238,349.758 380.619,350.139 380.873,350.901 380.873,351.155 380.746,351.663 380.492,352.044 379.984,352.425 379.349,352.552 378.841,352.425 378.333,352.171 377.952,351.663
  pour cut-out: 673.227,351.028 673.354,350.52 673.608,350.012 673.989,349.758 674.497,349.504 674.878,349.504 675.64,349.758 676.021,350.139 676.275,350.901 676.275,351.155 676.148,351.663 675.894,352.044 675.386,352.425 674.751,352.552 674.243,352.425 673.735,352.171 673.354,351.663
  pour cut-out: 673.227,570.865 673.354,570.357 673.608,569.849 673.989,569.595 674.497,569.341 674.878,569.341 675.64,569.595 676.021,569.976 676.275,570.738 676.275,570.992 676.148,571.5 675.894,571.881 675.386,572.262 674.751,572.389 674.243,572.262 673.735,572.008 673.354,571.5
  text "ASE V 1.18" at 517.017,478.409 h1.52
Bottom Layer:
  pour cut-out: 544.83,572.897 544.83,567.69 556.387,567.69 556.387,572.897
  pour cut-out: 610.235,572.897 610.235,568.325 620.395,568.325 620.395,572.897
  pour cut-out: 584.008,393.065 608.711,393.065 608.711,347.853 583.881,347.853
  pour cut-out: 561.34,347.853 561.34,361.95 539.75,361.95 539.75,347.853
  pour cut-out: 377.825,351.028 377.952,350.52 378.206,350.012 378.587,349.758 379.095,349.504 379.476,349.504 380.238,349.758 380.619,350.139 380.873,350.901 380.873,351.155 380.746,351.663 380.492,352.044 379.984,352.425 379.349,352.552 378.841,352.425 378.333,352.171 377.952,351.663
  pour cut-out: 673.227,351.028 673.354,350.52 673.608,350.012 673.989,349.758 674.497,349.504 674.878,349.504 675.64,349.758 676.021,350.139 676.275,350.901 676.275,351.155 676.148,351.663 675.894,352.044 675.386,352.425 674.751,352.552 674.243,352.425 673.735,352.171 673.354,351.663
  pour cut-out: 673.227,570.865 673.354,570.357 673.608,569.849 673.989,569.595 674.497,569.341 674.878,569.341 675.64,569.595 676.021,569.976 676.275,570.738 676.275,570.992 676.148,571.5 675.894,571.881 675.386,572.262 674.751,572.389 674.243,572.262 673.735,572.008 673.354,571.5

## Silkscreen, mask and mechanical layers (free items; w line width, h text height)
Top Overlay:
  circle w0.254: c570.611,520.319 r0.127
  circle w0.254: c605.663,450.723 r0.127
  circle w0.254: c606.044,458.216 r0.127
  circle w0.254: c545.592,446.913 r0.127
  circle w0.254: c546.227,455.676 r0.127
  circle w0.254: c473.964,502.793 r0.127
  circle w0.254: c398.145,455.041 r0.127
  circle w0.254: c391.16,482.092 r0.127
  circle w0.254: c406.4,489.839 r0.127
  circle w0.254: c397.51,502.285 r0.127
  circle w0.254: c400.558,501.396 r0.284
  circle w0.254: c409.702,489.204 r0.284
  circle w0.254: c394.208,481.457 r0.284
  circle w0.254: c477.139,502.031 r0.284
  circle w0.254: c401.32,454.66 r0.284
  circle w0.254: c549.402,454.787 r0.284
  circle w0.254: c548.767,446.151 r0.284
  circle w0.254: c608.584,457.2 r0.284
  circle w0.254: c608.584,449.961 r0.284
  circle w0.254: c573.786,519.557 r0.284
  lines w0.254: 477.52,368.808 477.52,370.332 ; 483.007,368.863 483.007,370.052 ; 518.668,369.189 518.668,370.967 ; 524.155,369.062 524.155,370.104
  text "REL" at 488.442,357.759 h1.52
  text "R/G" at 496.062,357.505 h1.52
Bottom Overlay:
  lines w0.254: 422.402,475.996 429.387,475.996 429.387,478.028 422.529,478.028 422.402,477.901 422.402,475.996 ; 422.529,495.554 422.529,497.459 422.656,497.586 429.514,497.586 429.514,495.554 422.529,495.554 ; 431.673,460.502 438.658,460.502 438.658,462.534 431.8,462.534 431.673,462.407 431.673,460.502 ; 504.19,477.52 511.175,477.52 511.175,479.552 504.317,479.552 504.19,479.425 504.19,477.52 ; 624.459,512.699 631.444,512.699 631.444,514.731 624.586,514.731 624.459,514.604 624.459,512.699 ; 624.713,493.776 631.698,493.776 631.698,495.808 624.84,495.808 624.713,495.681 624.713,493.776 ; 625.094,476.885 632.079,476.885 632.079,478.917 625.221,478.917 625.094,478.79 625.094,476.885 ; 660.146,445.897 662.178,445.897 662.178,452.755 662.051,452.882 660.146,452.882 660.146,445.897 ; 660.4,355.346 662.432,355.346 662.432,362.204 662.305,362.331 660.4,362.331 660.4,355.346 ; 660.4,369.443 662.432,369.443 662.432,376.301 662.305,376.428 660.4,376.428 660.4,369.443 ; 660.4,383.286 662.432,383.286 662.432,390.144 662.305,390.271 660.4,390.271 660.4,383.286 ; 660.4,397.129 662.432,397.129 662.432,403.987 662.305,404.114 660.4,404.114 660.4,397.129 ; 660.4,410.845 662.432,410.845 662.432,417.703 662.305,417.83 660.4,417.83 660.4,410.845 ; 660.4,424.815 662.432,424.815 662.432,431.673 662.305,431.8 660.4,431.8 660.4,424.815
  text "VR2" at 629.158,513.207 h1
  text "VR9" at 427.228,496.062 h1
  text "VR11" at 629.412,494.284 h1
  text "VR13" at 509.27,478.028 h1
  text "VR7" at 629.793,477.393 h1
  text "VR5" at 427.101,476.504 h1
  text "VR3" at 436.372,461.01 h1
  text "VR1" at 660.654,448.183 h1 r270
  text "VR14" at 660.908,426.593 h1 r270
  text "VR12" at 661.035,412.623 h1 r270
  text "VR10" at 661.035,398.907 h1 r270
  text "VR8" at 660.908,385.572 h1 r270
  text "VR6" at 660.908,371.729 h1 r270
  text "VR4" at 660.908,357.632 h1 r270
Mechanical 1:
  lines w0.254: 377.19,347.853 402.209,347.853 402.209,351.917 ; 377.19,460.375 677.291,460.375 ; 377.19,515.62 402.209,515.62 402.209,511.556 ; 459.74,409.067 459.74,520.827 462.28,520.827 462.28,517.779 ; 480.822,433.451 480.822,427.99 ; 480.822,486.918 480.822,492.633 ; 483.87,572.897 508.889,572.897 508.889,568.833 ; 527.304,347.853 527.304,572.897 377.19,572.897 ; 571.373,430.53 571.373,427.99 573.913,427.99 ; 571.373,490.093 571.373,492.633 573.913,492.633 ; 604.012,352.933 604.012,385.445 604.647,385.445 ; 652.272,351.917 652.272,347.853 677.291,347.853 ; 652.272,568.833 652.272,572.897 677.291,572.897 ; 672.211,347.853 677.291,347.853 ; 677.291,351.917 677.291,347.853 ; 377.19,572.897 377.19,517.779 462.28,517.779 ; 377.19,572.897 462.28,572.897 ; 462.28,517.779 482.346,517.779 482.346,572.897 462.28,572.897 ; 462.28,517.779 462.28,572.897 ; 480.822,427.99 573.913,427.99 ; 480.822,427.99 480.822,492.633 ; 480.822,492.633 483.362,492.633 480.822,492.633 ; 480.822,492.633 527.304,492.633 527.304,460.375 480.885,460.375 480.822,460.311 480.822,492.633 ; 480.822,492.633 573.913,492.633 ; 573.913,427.99 573.913,492.633 ; 414.147,352.806 428.371,352.806 428.371,397.637 424.561,397.637 424.561,399.923 417.83,399.923 417.83,397.637 414.147,397.637 414.147,352.806 ; 483.362,435.991 485.902,435.991 485.902,484.632 483.362,484.632 483.362,435.991

## Text inside footprints (layer, text, board x,y; h text height)
P5: Top Overlay "2" at 462.28,407.035 h1.27 r180; Top Overlay "1" at 462.28,409.575 h1.27 r180; Top Overlay "25" at 427.736,409.575 h1.27 r180; Top Overlay "26" at 427.736,407.035 h1.27 r180